# Allegro board Test_Version_2Layer_Buidling.brd (continued)
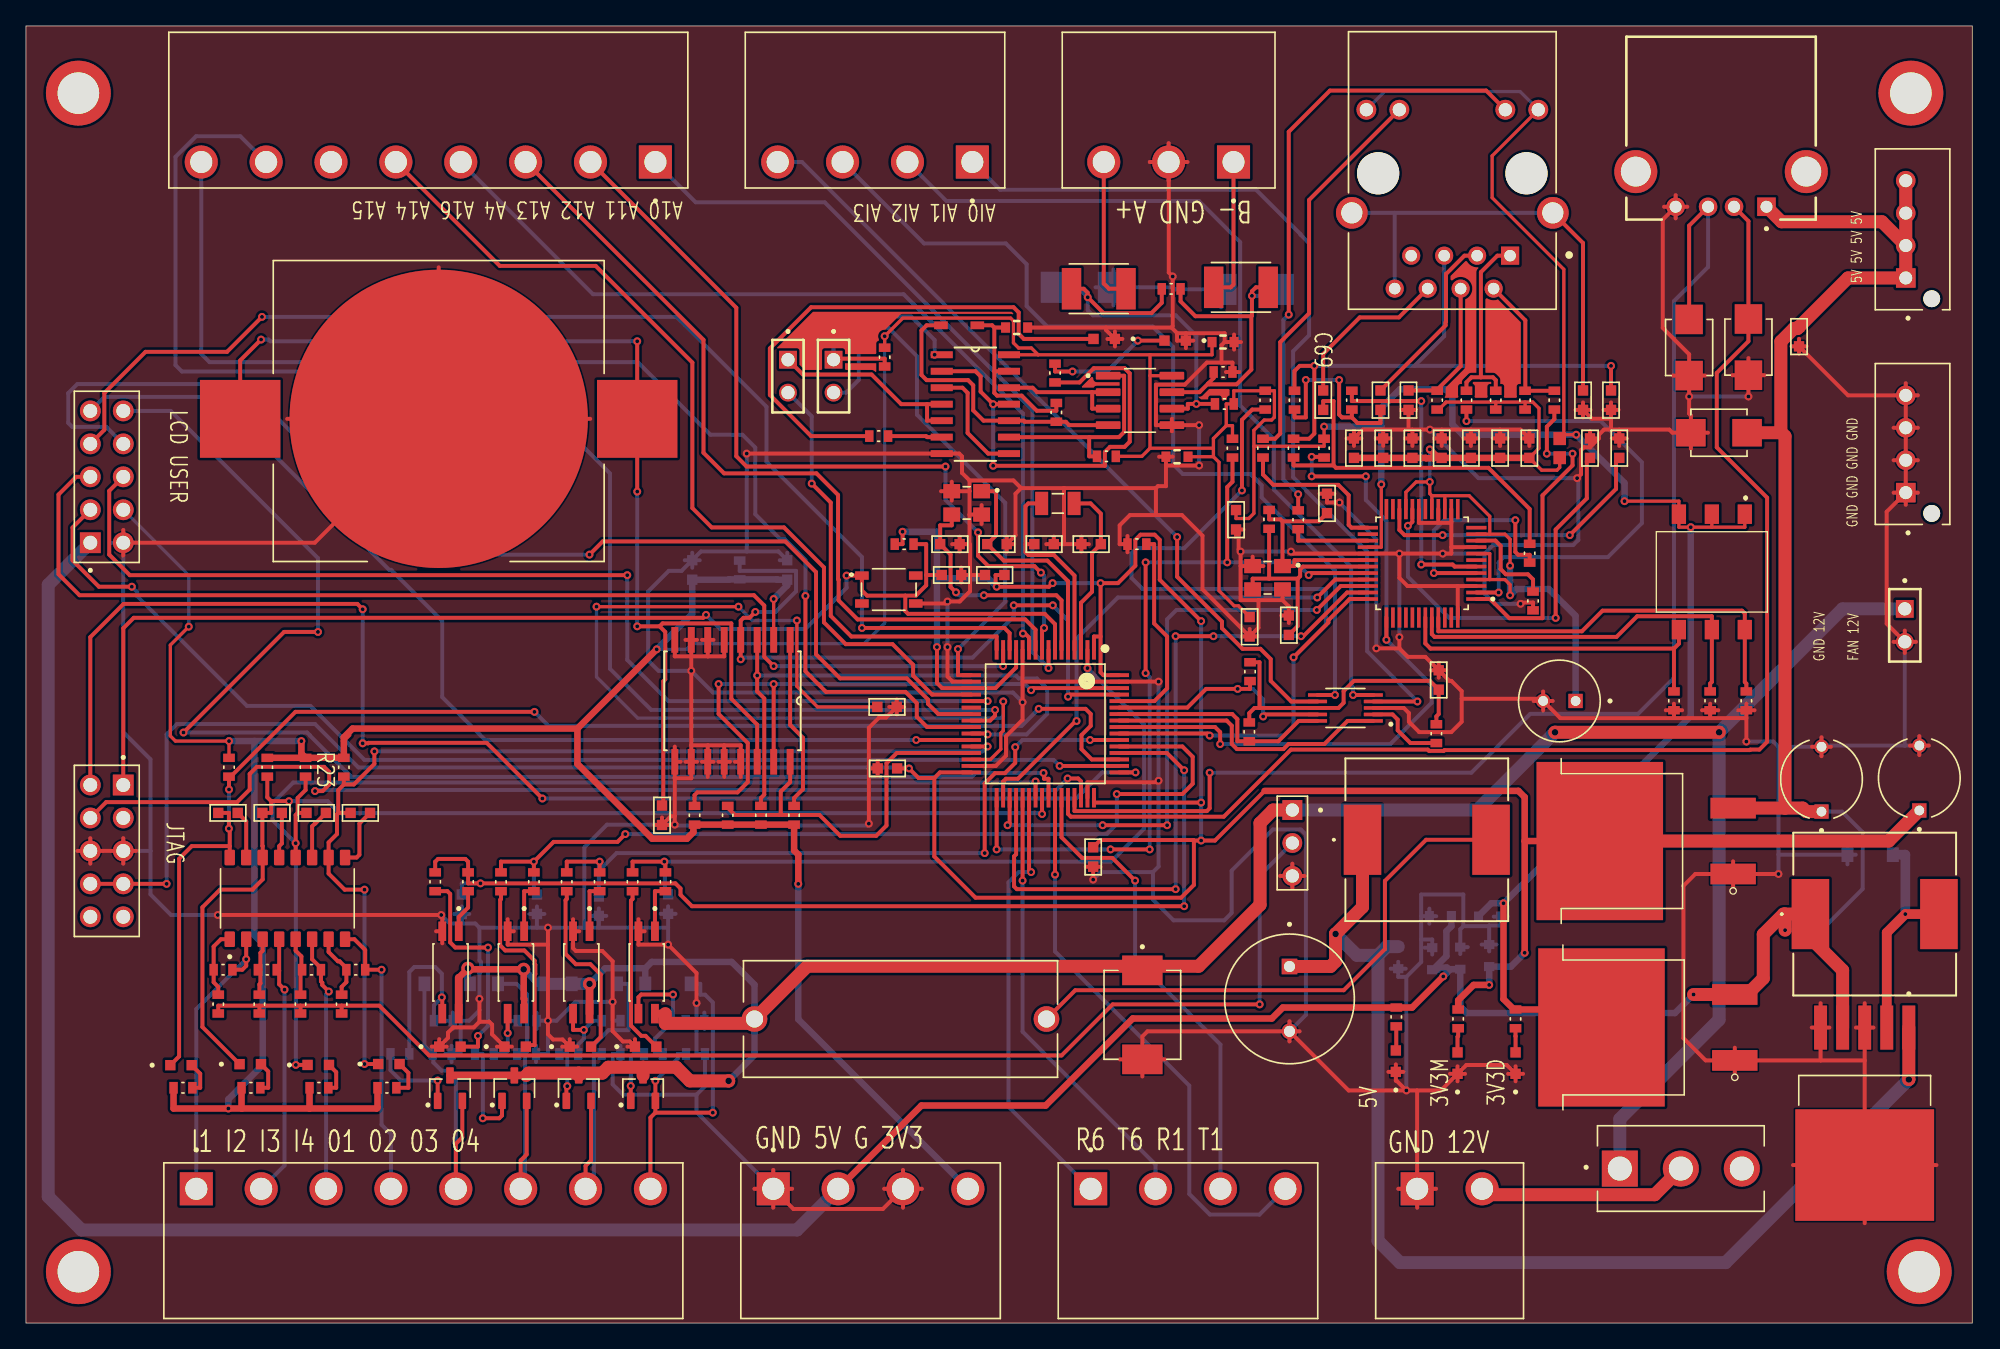
[diagram p0: board, top side]
## Nets
3V3: C110.2 R2.1 R3.1 R4.1 U44.8(VDD)
3V3_MCU: C31.2 C156.2 C169.2 C170.2 C175.P J76.7 J76.8 R227.2 R233.2 U2.3(OUT) U34.1 U34.13 U34.19 U34.32 U34.48 U34.64
3V3A: C72.2 C73.2 C74.2 C75.2 C76.2 C77.2 C78.2 C141.P FL4.2 R73.1 R74.1 R75.1 U14.4 U14.8 U14.11 U14.15 U14.17 U14.21
3V3D: C62.2 C63.2 C66.1 C67.1 C154.2 C171.1 C173.2 FL4.1 J10.9 J10.12 J69.4 J72.4 R17.1 R18.1 R19.1 R20.1 R21.1 R22.1 R23.1 R24.1 R64.2 R67.2 R68.2 R70.2 R168.2 R169.2 R224.2 R249.2 R250.2 R258.2 R260.1 R262.2 S15.1 S15.3 S15.5 U13.2 U14.28 U33.3(OUT) U39.14(VCC) U40.8(VCC)
5V_MAIN: C24.P C25.2 C30.2 C95.1 C153.2 D10.1 J66.01(VCC) J69.2 J72.1 J78.1 J78.2 J78.3 J78.4 L1.1 R225.2 U2.2 U33.2 U45.4
12V: D36.1(K) D37.1(K) D109.1(K) D111.1(K) D121.C(K) F8.1 J22.1 J71.01 Q3.3 Q4.3 Q6.3 Q7.3 S5.1 U10.4 U11.4 U37.4 U38.4
GND: BT1.N(-) C23.1 C24.N C25.1 C30.1 C31.1 C59.1 C60.1 C62.1 C63.1 C64.1 C65.2 C66.2 C67.2 C72.1 C73.1 C74.1 C75.1 C76.1 C77.1 C78.1 C79.1 C80.1 C81.2 C82.2 C95.2 C110.1 C111.1 C141.N C142.2 C153.1 C154.1 C155.1 C156.1 C160.1 C161.1 C162.1 C163.1 C164.1 C165.1 C168.1 C169.1 C170.1 C171.2 C172.2 C173.1 C174.N C175.N D6.2 D10.2 D11.2 D12.2 D35.2(C) D38.2(C) D105.2(C) D106.2(C) D108.2(C) D110.2(C) D112.2(C) D116.2(C) D117.2(C) D118.A D119.A D121.A J22.3 J27.1 J28.2 J66.04 J69.1 J69.3 J71.02 J72.2 J76.5 J76.6 J77.1 J77.2 J77.3 J77.4 R52.2 R53.2 R57.2 R58.2 R69.2 R234.2 R235.2 R236.2 R237.2 R241.2 R242.2 R246.2 R247.2 R261.2 S4.4 U2.1 U10.2 U11.2 U13.5 U13.6 U13.7 U13.8 U13.9 U13.10 U13.11 U13.12 U13.13 U14.3 U14.9 U14.14 U14.16 U14.19 U14.29 U14.48 U33.1 U34.12(VSSA/VREF-) U34.18 U34.31 U34.47 U34.63 U37.2 U38.2 U39.7 U40.5 U44.3 U45.3 U45.5 U45.6 Y6.2 Y6.4 Y12.2 Y12.4
VIN: C23.2 C174.P L2.1 U45.1(VIN)
1Y: R257.2 U39.2 U39.11
2A: U39.3 U39.8
3Y: R259.2 U39.6
4A: R258.1 U39.9 U40.1
5Y: D115.C R256.2 U39.10 U40.4
6A: C172.1 D115.A R256.1 U39.13
6Y: U39.12 U40.2 U40.3
30: C81.1 R82.2 U14.30 Y6.1
31: C82.1 R82.1 U14.31(XO) Y6.3(OUT/IN)
A: D118.C(2) F4.1 R253.1 R262.1 U40.6
ACTLED: R71.2 U14.27
ADC1_IN4: J24.5 U34.20
ADC1_IN6: U34.22
ADC1_IN10: J24.1 U34.8
ADC1_IN11: J24.2 U34.9
ADC1_IN12: J24.3 U34.10
ADC1_IN13: J24.4 U34.11
ADC1_IN14: J24.7 U34.24
ADC1_IN15: J24.8 U34.25
ADC1_IN16: J24.6
ADC_ADDR: U34.57 U44.1
ADC_SCL: R2.2 U34.58 U44.10
ADC_SDA: R3.2 U34.59 U44.9
AIN1: J26.2 U44.5
AIN2: J26.3 U44.6
AIN3: J26.4 U44.7
AINO: J26.1 U44.4
B: D119.C(2) F5.1 R253.2 R261.1 U40.7
BEEP: J72.10 U34.41
BOOT0: R234.1 U34.60
BUTTON1: J72.3 U34.50
BUTTON2: J72.5 U34.15
BUTTON3: J72.9 U34.27
CGND: C142.1 J10.8 J10.15 J10.16
ETHERNET_CS: R70.1 U14.32 U34.33
ETHERNET_INTN: R68.1 U14.36 U34.55
ETHERNET_MISO: U14.34 U34.35
ETHERNET_MOSI: U14.35 U34.36
ETHERNET_RTSN: R67.1 U14.37 U34.56
ETHERNET_SCK: U14.33 U34.34
GPIO_INPUT_1: C54.2 D30.2(C) R24.2 U8.10 U34.28
GPIO_INPUT_2: C53.2 D29.2(C) R23.2 U8.12 U34.39
GPIO_INPUT_3: C52.2 D28.2(C) R22.2 U8.14 U34.40
GPIO_INPUT_4: C51.2 D27.2(C) R21.2 U8.16 U34.51
GPIO_OUTPUT_1: C59.2 R49.2 R50.1 U34.52
GPIO_OUTPUT_2: C60.2 R54.2 R56.1 U34.53
GPIO_OUTPUT_3: C165.2 R238.2 R240.1 U34.54
GPIO_OUTPUT_4: C168.2 R243.2 R245.1 U34.2
I2C2_SCL: R168.1 U13.16 U34.29
I2C2_SDA: R169.1 U13.15 U34.62
INT_DS3231: R64.1 U13.3 U34.26
LINKLED: R72.2 U14.25
N_GPIO_INPUT_1: J23.1 R26.2 U8.2
N_GPIO_INPUT_2: J23.2 R28.2 U8.4
N_GPIO_INPUT_3: J23.3 R30.2 U8.6
N_GPIO_INPUT_4: J23.4 R32.2 U8.8
N_GPIO_OUTPUT_1: D36.2 J23.5 Q3.2(E) R53.1
N_GPIO_OUTPUT_2: D37.2 J23.6 Q4.2(E) R58.1
N_GPIO_OUTPUT_3: D109.2 J23.7 Q6.2(E) R242.1
N_GPIO_OUTPUT_4: D111.2 J23.8 Q7.2(E) R247.1
NRST: C160.2 J76.1 R233.1 S4.1 U34.7
P4: C80.2 J10.4 R75.2
P5: C79.2 J10.5 R80.2 R81.2
PA0: J72.7 U34.14
PA2: J67.02 U34.16
PA3: J68.02 U34.17
PA5: J72.6 U34.21
PA7: J72.8 U34.23
PA9: J62.4 U34.42
PA10: J62.3 U34.43
PA11: D11.1 J66.02 U34.44
PA12: D12.1 J66.03 U34.45
PA13: J76.4 U34.46
PA14: J76.2 U34.49
PB8: R249.1 U13.4(~RST) U34.61
PC6: J62.2 U34.37
PC7: J62.1 U34.38
PC14: C164.2 U34.3 Y11.1
PC15: C163.2 U34.4 Y11.2
PH0: C161.2 U34.5 Y12.1
PH1: C162.2 U34.6 Y12.3(OUT/IN)
PMODE0: R235.1 S15.2 U14.45
PMODE1: R236.1 S15.4 U14.44
PMODE2: R237.1 S15.6(NO_3) U14.43
RD+: C68.1 J10.3
RD-: C69.2 J10.6
RS485_A+: F4.2 J28.3
RS485_B-: F5.2 J28.1
RS485_RX: J67.01 U39.4 U39.5
RS485_TX: J68.01 R260.2 U39.1
RX+: R78.2 U14.6
RX-: R79.2 U14.5
TD+: J10.1 R74.2 R76.1
TD-: J10.2 R73.2 R77.1
TX+: R76.2 U14.2
TX-: R77.2 U14.1
VCAP: C155.2 U34.30
VOUT: D6.1(K) L1.2 U45.2
N561413: C69.1 R79.1 R81.1
N561439: C68.2 R78.1 R80.1
N562363: J10.10 R71.1
N562453: J10.11(YC) R72.1
N562641: R69.1 U14.10
N562707: C64.2 U14.20
N562759: C65.1 U14.22
N588900: R4.2 U44.2
N605674: D105.1 R224.1
N605802: D106.1 R225.1
N634368: J22.2 R25.2 R27.2 R29.2 R31.2
N634464: R25.1 R26.1 U8.1
N634600: D27.1 R17.2
N634616: R27.1 R28.1 U8.3
N634652: C51.1 U8.15
N634776: R29.1 R30.1 U8.5
N634812: C52.1 U8.13
N634928: R31.1 R32.1 U8.7
N634964: C53.1 U8.11
N635092: C54.1 U8.9
N637436: R49.1 U10.1
N637488: R51.2 R52.1 U10.3(E)
N637500: Q3.1 R51.1
N637646: D35.1 R50.2
N637832: R54.1 U11.1
N637892: R55.2 R57.1 U11.3(E)
N637904: Q4.1 R55.1
N637978: D38.1 R56.2
N642891: R238.1 U37.1
N642943: R239.2 R241.1 U37.3(E)
N642955: Q6.1 R239.1
N643101: D110.1 R240.2
N643287: R243.1 U38.1
N643347: R244.2 R246.1 U38.3(E)
N643359: Q7.1 R244.1
N643433: D112.1 R245.2
N652966: BT1.P1 BT1.P2 C111.2 U13.14
N689903: R250.1 U13.1
N749851: F8.2 L2.2
N6057860: D108.1 R227.1
N6347040: D28.1 R18.2
N6348600: D29.1 R19.2
N6350120: D30.1 R20.2
N6478961: J27.2 S5.2
N7023880: D116.1 R257.1
N7029370: D117.1 R259.1

Pads without a net: J10 7; J25 03; J66 S1 S2; J73 03; J74 03; J75 03; J76 3 9 10; S4 2 3; S5 3; U14 7 12 13 18 23 24 26 38 39 40 41 42 46 47

## Via types
v1: diameter 0.61, hole 0.305, TOP to BOTTOM, 225 vias
v2: diameter 1.016, hole 0.508, TOP to BOTTOM, 8 vias

## Routing (per net, layer and track width the routed paths; a pad name or vN(x,y) marks a point on that pad's centre or on a via; arc(x,y) is an arc through that point)
3V3: length 24.1
  TOP w0.305: R2.1 94.28,47.02 94.68,47.42 95.07,47.42 ; 95.07,47.42 U44.8 101.15,47.42 101.55,47.82 101.55,48.72 102.34,49.51 108.2,49.51 C110.2 108.88,46.95 108.7,46.77 R4.1 ; 95.07,47.42 95.07,50.95 R3.1
3V3_MCU: length 289.9
  TOP w0.305: U34.48 82.31,40.13 v1(90.57,40.13) ; v1(10.84,33.86) J76.7 J76.8 ; 82.82,52.93 v1(82.82,57.04) 84.16,57.04 85.5,58.38 85.5,60.38 85.9,60.78 86.98,60.78 87.38,60.38 87.38,57.3 v1(90.57,54.11) ; 82.82,52.93 82.82,50.17 83.04,49.95 U34.64 ; 82.82,52.93 82.31,52.93 U34.1 ; U34.13 76.31,50.54 74.72,48.95 U34.19 70.61,48.95 70.21,49.35 v1(70.21,52.12) ; R233.2 67.56,60.05 v1(67.56,61) ; C170.2 v1(68.05,42.76) 68.79,42.02 70.01,42.02 ; 90.01,37.2 90.01,33.78 89.03,32.79 73.18,32.79 70.01,35.97 70.01,42.02 ; 90.01,37.2 v1(90.57,37.2) 91.63,37.2 95.46,41.03 ; 90.01,37.2 89.97,37.24 82.81,37.24 C169.2 ; U34.32 70.44,42.45 70.01,42.02 ; v1(79.12,57.04) 78.85,56.77 v1(74.82,56.77) 74.73,56.85 74.73,57.67 C156.2
  TOP w0.5: v1(115.5,28.54) 115.5,37.16 ; 115.5,37.16 U2.3 ; 115.5,37.16 115.5,40.54 115.02,41.03 95.46,41.03 ; v1(112.77,26.07) 111.57,26.07 110.38,24.88 R227.2
  TOP w1: C175.P 143.56,37.16 U2.3
  BOTTOM w0.305: v1(79.12,57.04) v1(82.82,57.04) ; v1(68.05,42.76) 67.98,42.84 25.62,42.84 22.27,46.18 11.63,46.18 10.84,45.39 v1(10.84,33.86) ; v1(90.57,54.11) v1(90.57,40.13) v1(90.57,37.2)
  BOTTOM w0.5: 70.21,57.42 70.21,60.97 70.18,61 v1(67.56,61) ; 70.21,57.42 74.16,57.42 v1(74.82,56.77) ; 70.21,57.42 v1(70.21,52.12) ; v1(115.5,28.54) 114.44,27.48 C31.2 v1(112.77,26.07)
3V3A: length 73.7
  TOP w0.254: U14.8 112.81,59.32 112.81,57.32 ; U14.21 106.35,64.05 107.14,64.85 v1(108.19,64.85) 108.19,63.94 108.35,63.78 ; U14.17 108.35,63.78 ; 108.35,63.78 109.35,63.78 ; v1(114.38,58.39) 114.38,60.42 113.98,60.82 112.81,60.82 ; R75.1 108.89,70.42 109.39,70.93 109.39,70.95 109.44,71 113.28,71 ; 112.81,57.32 113.98,57.32 114.38,56.92 v1(114.38,56.11) ; 112.81,57.32 U14.4 ; 118.2,66.72 118.2,65.96 117.99,65.75 116.82,65.75 C78.2 116.61,67.44 116.61,70.52 116.12,71 115.54,71 ; 115.54,71 113.28,71 ; 115.54,71 R73.1 ; 113.28,71 R74.1 ; 112.81,60.82 U14.11 ; 112.81,60.82 112.81,62.2 111.23,63.78 109.35,63.78 ; 109.35,63.78 U14.15
  TOP w0.5: C78.2 C77.2 C76.2 C72.2 108.85,66.7 ; 108.85,66.7 v1(108.19,67.35) 108.19,67.33 ; 108.85,66.7 108.5,66.7 108.47,66.67 107.91,66.67 107.88,66.7 C73.2 C74.2 C75.2
  BOTTOM w0.254: v1(108.19,64.85) v1(108.19,67.35)
  BOTTOM w0.5: v1(114.38,58.39) v1(114.38,56.11) 114.86,56.59 117.36,56.59 119.43,54.52 C141.P
3V3D: length 482.5
  TOP w0.254: 92.51,69.19 92.51,70.86 R262.2 93.08,71.88 R68.2 96.21,71.88 96.21,69.83 96,69.62 95.43,69.62 94.64,68.82 94.64,67.6 ; 92.51,69.19 92.99,69.19 92.99,68.17 ; 92.51,69.19 91.52,68.2 91.52,67.44 ; 51.53,38.42 R169.2 ; J10.9 113,89.99 113,86.76 118.52,81.23 118.52,68.5 ; 86.63,74.65 91.41,74.65 C171.1 ; 86.63,74.65 86.63,73.03 ; 86.63,74.65 78.01,74.65 ; 15.65,43.58 v1(15.65,44.87) 11.52,44.87 11.13,45.26 11.13,52.27 v1(12.55,53.69) ; 86.63,73.03 88.31,73.03 ; 86.63,73.03 86.63,67.44 ; R260.1 v1(66.18,76.08) 67.58,77.47 75.89,77.47 76.1,77.26 76.1,75.57 76.5,75.17 77.49,75.17 78.01,74.65 ; 94.64,67.6 94.64,62.42 94.24,62.03 93.26,62.03 C67.1 ; 94.64,67.6 100.05,67.6 v1(100.05,69.11) ; R258.2 86,66.82 86.63,67.44 ; C173.2 91.52,66.79 ; 91.52,66.79 91.52,67.44 ; 91.52,66.79 91.95,66.36 91.95,56.46 93.12,55.29 93.45,55.29 C66.1 ; 57.62,52.67 v1(57.62,55.82) ; 86.63,67.44 91.52,67.44 ; v1(104.45,64.66) 104.45,59.82 U14.28 ; 78.01,74.65 U39.14 ; 24.5,44.87 24.96,45.33 ; v1(119.48,68.49) 118.54,68.49 118.52,68.5 ; 129.93,61.36 v1(128.3,61.36) 127.39,61.36 S15.5 127.39,63.36 v1(123.2,63.36) ; 129.93,61.36 S15.3 ; 129.93,61.36 132.47,61.36 S15.1 ; 118.52,68.5 FL4.1
  TOP w0.5: U33.3 120.04,24.18 R224.2 114.67,24.18 113.87,24.98 v1(113.87,32.37) ; R17.1 11.38,16.54 v1(15.6,16.54) 16.64,16.54 ; 21.85,16.54 27.03,16.54 27.09,16.6 R20.1 ; 21.85,16.54 21.86,16.55 R19.1 ; 21.85,16.54 16.64,16.54 ; 21.55,43.58 24.5,43.58 24.5,45.16 25.17,45.83 42.5,45.83 ; 21.55,43.58 21.23,43.9 v1(21.23,44.87) ; 21.55,43.58 18.6,43.58 ; v1(59.52,33.86) 59.52,36.12 59.2,36.44 R250.2 R64.2 R168.2 R169.2 51.44,38.34 51.44,37.84 50.94,37.34 48.27,37.34 42.5,43.11 42.5,45.83 ; 16.64,16.54 16.61,16.56 R18.1 ; 42.5,45.83 v1(48.61,51.94)
  BOTTOM w0.254: v1(12.55,53.69) 12.55,57.65 J72.4 ; J10.9 115.16,94.94 104.7,94.94 J10.12 ; v1(66.18,76.08) 66.18,53.96 64.59,52.37 51.35,52.37 50.92,51.94 v1(48.61,51.94)
  BOTTOM w0.5: v1(104.45,64.66) 104.45,69.11 ; 104.45,69.11 104.45,70.55 105.88,71.98 109.43,71.98 109.93,71.48 109.93,69.28 110.73,68.49 v1(119.48,68.49) 123.2,64.76 v1(123.2,63.36) ; 104.45,69.11 v1(100.05,69.11) ; v1(15.6,16.54) 15.6,17.25 18.25,19.9 18.25,29.24 17.61,29.88 17.61,44.87 ; v1(15.65,44.87) 17.61,44.87 ; 17.61,44.87 v1(21.23,44.87) ; v1(59.52,33.86) 59.52,23.42 J69.4 ; C154.2 111.95,31.38 112.94,32.37 v1(113.87,32.37) 128.3,46.8 v1(128.3,61.36) ; v1(57.62,55.82) 58.67,56.87 C62.2 57.89,57.31 57.87,57.34 R249.2 54.18,57.34 54.16,57.31 C63.2 51.35,54.68 v1(48.61,51.94)
5V_MAIN: length 314.7
  TOP w0.5: v1(109.23,26.72) 106.83,24.32 R225.2 96.87,24.32 96.02,23.48 85.3,23.48 78.59,16.77 69.01,16.77 J69.2
  TOP w1: 135.25,68.69 135.57,68.37 135.57,39.7 ; 135.25,68.69 135.2,68.64 D10.1 ; 135.25,68.69 135.25,75.67 136.25,76.67 136.52,76.67 C95.1 140.42,80.57 J78.1 J78.2 ; 135.57,39.7 136.93,39.7 137.2,39.43 C24.P ; 135.57,39.7 U2.2 ; J78.4 J78.3 J78.2 ; v1(128.52,25.33) U33.2 132.65,25.33 133.89,26.57 133.89,29.97 135.45,31.53 135.57,31.53 ; J78.2 143.04,84.9 135.3,84.9 J66.01 ; U45.4 140.01,27.2 137.53,29.68 L1.1 135.57,31.53 ; 135.57,31.53 v1(135.57,30.29)
  BOTTOM w0.305: v1(135.57,30.29) 138.38,30.29 141.55,33.46 141.55,37.84 139.96,39.43 C24.P
  BOTTOM w0.5: C153.2 109.86,30.59 109.47,30.2 109.47,28.28 108.43,27.24 ; 109.79,27.28 v1(109.23,26.72) ; 109.79,27.28 C30.2 110.54,24.4 111.04,23.9 127.09,23.9 v1(128.52,25.33) ; 109.79,27.28 109.64,27.28 109.51,27.41 108.95,27.41 108.78,27.24 108.43,27.24 ; 108.43,27.24 C25.2
  BOTTOM w1: J69.2 59.42,7.18 4.28,7.18 1.72,9.74 1.72,56.92 J72.1
12V: length 218.5
  TOP w0.5: v2(34.06,27.35) 34.06,27.33 ; 34.06,27.33 33.35,26.62 ; 34.06,27.33 34.12,27.27 v2(38.36,27.27) 38.36,25.02 38.39,24.98 U11.4
  TOP w0.59: 38.56,19.09 Q4.3 Q3.3
  TOP w0.6: 49.27,23.86 U38.4 ; U37.4 v2(43.44,26.15) ; 33.35,26.62 U10.4
  TOP w1: Q7.3 47.56,19.72 ; 47.56,19.72 50.12,19.72 51.17,18.67 v2(54.15,18.67) ; 47.56,19.72 44.87,19.72 44.42,19.27 42.6,19.27 ; D121.C 86.36,27.51 ; 86.36,27.51 90.38,27.51 95.11,32.24 95.11,38.55 96.11,39.55 J22.1 ; 86.36,27.51 60.22,27.51 F8.1 55.81,23.1 49.27,23.1 49.27,23.86 ; 42.6,19.27 38.74,19.27 38.56,19.09 ; 42.6,19.27 Q6.3 ; v2(117.84,45.54) v2(130.49,45.54)
  BOTTOM w0.5: D36.1 34.06,26.3 v2(34.06,27.35) ; D37.1 39.48,26.15 v2(38.36,27.27) ; v2(54.15,18.67) 56.15,20.67 F8.1 56.15,26.08 54.39,27.84 48.22,27.84 47.73,27.35 ; D111.1 47.73,27.35 ; 47.73,27.35 47.73,27.35 44.64,27.35 v2(43.44,26.15)
  BOTTOM w0.92: D37.1 D109.1 v2(43.44,26.15)
  BOTTOM w1: S5.1 122.84,15.74 130.49,23.38 v2(130.49,45.54) 140,55.06 J71.01 ; J22.1 111.85,39.55 v2(117.84,45.54)
GND: length 1321.8
  TOP w0.305: 109.11,67.62 C72.1 ; C72.1 109.69,68.2 ; C72.1 108.53,68.2 ; C72.1 109.11,68.88 ; 116.2,47.96 C141.N ; C141.N 118.25,46.64 127.01,46.64 ; C141.N 116.93,48.69 ; C141.N 116.76,48.13 110.65,48.13 ; C141.N 116.93,47.23 ; C141.N 117.66,47.96 ; C77.1 114.19,68.2 ; C77.1 113.03,68.2 ; C77.1 113.61,68.88 ; C77.1 113.61,67.62 ; 72.72,60.05 72.76,60.01 72.76,57.67 ; 72.72,60.05 C162.1 ; 72.72,60.05 72.72,62.33 ; 122.8,67.62 C65.2 ; C65.2 123.37,68.2 ; C65.2 122.8,68.88 ; C65.2 122.22,68.2 ; 131.51,73.08 D11.2 ; D11.2 132.75,74.39 ; D11.2 133.99,73.08 ; D11.2 v1(132.75,71.43) ; 129.8,47.25 129.8,47.75 ; 129.8,47.25 129.17,47.25 ; 129.8,47.25 130.43,47.25 ; 129.8,47.25 129.8,46.64 ; 52.55,51.4 52.55,52.67 ; 52.55,51.4 53.81,51.4 53.81,52.67 ; 52.55,51.4 51.27,51.4 ; 52.55,52.67 52.1,52.67 ; 52.55,52.67 52.99,52.67 ; J77.1 145.81,64.02 ; J77.1 143.94,64.02 ; J77.1 143.4,62.55 143.4,53.92 J71.02 ; J77.1 J77.2 ; J77.1 144.88,63.09 ; C155.1 67.11,48.08 ; C155.1 67.11,46.92 ; C155.1 66.29,46.68 65.75,46.68 64.96,45.89 64.96,42.76 ; C155.1 67.69,47.5 ; C155.1 66.53,47.5 ; C170.1 64.96,42.76 ; C170.1 65.64,43.34 ; C170.1 65.64,42.18 ; 64.96,42.76 v1(64.96,38.5) ; J66.04 128.03,86.06 ; J66.04 127.14,86.95 ; J66.04 126.25,86.06 ; J66.04 126.15,85.07 126.15,76.72 128.18,74.69 D12.2 ; J66.04 127.14,85.17 ; 96.66,34.47 J22.3 ; J22.3 98.54,34.47 ; J22.3 97.6,33.53 ; J22.3 97.6,35.41 ; 80,64.37 76.7,64.37 ; 80,64.37 80,60.05 ; 80,64.37 87.09,64.37 ; 76.7,64.37 76.27,63.94 76.27,60.73 C161.1 ; 76.7,64.37 76.11,64.96 72.72,64.96 ; 4.96,35.42 J76.6 ; J76.6 4.96,37.38 ; J76.6 J76.5 ; J76.6 3.98,36.4 ; 50.83,43.27 51.27,43.27 ; 51.27,43.27 51.27,42 50.01,42 ; 51.27,43.27 51.27,44.54 ; 51.27,43.27 51.72,43.27 ; BT1.N 31.81,81.39 ; BT1.N 22.26,60.16 J72.2 ; BT1.N 20.13,69.71 ; BT1.N 43.49,69.71 ; v1(90.41,69.22) U40.5 ; U40.5 88.31,69.7 ; U40.5 88.31,68.75 ; U40.5 87.09,69.22 87.09,72.34 89.31,72.34 91.01,74.05 92.14,74.05 ; C78.1 115.19,68.88 113.61,68.88 ; C78.1 115.87,68.78 ; C78.1 115.87,67.62 ; C78.1 115.29,68.2 ; C142.2 120,70.98 ; C142.2 120,69.82 ; C142.2 119.42,70.4 ; C142.2 120.58,70.4 ; C142.2 120.68,69.72 122.16,69.72 ; 51.27,44.54 52.55,44.54 ; 51.27,44.54 v1(51.27,50.28) 51.27,51.4 ; 52.55,44.54 U13.11 ; 52.55,44.54 53.81,44.54 ; C110.1 109.7,49.51 109.86,49.51 110.65,48.72 110.65,48.13 ; C110.1 107.85,51.36 106.51,51.36 105.85,52.02 ; C110.1 108.88,50.91 ; C110.1 108.3,50.33 ; C110.1 109.46,50.33 ; C110.1 108.88,49.75 ; 114.23,19.21 D105.2 ; D105.2 114.12,19.89 111.01,19.89 D108.2 ; D105.2 115.38,19.21 ; D105.2 114.8,18.64 ; D105.2 114.8,19.79 ; v1(87.29,49.45) U34.63 76.81,49.45 ; Y12.4 73.65,63.06 ; Y12.4 72.72,62.33 ; Y12.4 73.65,61.6 ; 32.09,29.28 32.09,30.2 ; 32.09,30.2 32.09,31.38 v1(32.01,31.46) v1(14.78,31.46) ; 32.09,30.2 31.61,30.2 ; 92.14,74.05 92.98,74.05 R261.2 ; 92.14,74.05 92.14,75.39 92.38,75.63 ; 7.5,59.18 J72.2 ; J72.2 7.5,61.14 ; 105.58,19.36 106.15,19.36 ; 105.58,19.36 105.58,18.69 105.63,18.69 v1(106.39,17.93) ; 105.58,19.36 105.58,19.94 ; 105.58,19.36 105,19.36 ; 70.52,64.13 Y12.2 ; Y12.2 71.35,64.86 ; Y12.2 72.72,64.13 ; Y12.2 71.35,63.4 ; v1(51.68,24.67) 51.68,26.98 v1(49.49,29.18) 47.2,29.18 47.2,30.2 ; 122.16,69.72 C79.1 ; 122.16,69.72 122.16,68.88 ; D108.2 110.91,19.21 ; D108.2 109.05,17.93 107.22,17.93 ; D108.2 110.33,19.79 ; D108.2 110.33,18.64 ; D108.2 109.75,19.21 ; C171.2 93.11,76.21 ; C171.2 92.38,75.63 ; C171.2 93.64,75.63 ; C171.2 93.11,75.05 ; 71.38,60.05 C162.1 ; C162.1 71.96,59.47 ; C162.1 71.96,60.63 ; 84.3,20.33 D121.A ; D121.A 86.04,22.09 86.44,22.49 C174.N ; D121.A 86.04,19.01 ; D121.A 87.78,20.33 ; C80.1 107.13,70.4 ; C80.1 106.55,68.88 ; C80.1 105.97,70.4 ; 107.22,17.93 v1(106.39,17.93) ; 107.22,17.93 J27.1 ; U45.5 138.99,22.78 ; U45.5 138.31,20.25 ; U45.5 138.31,24.66 ; U45.5 137.63,22.78 ; 50.01,42 U13.9 ; 50.01,42 50.01,39.08 ; U13.9 50.45,43.27 ; U13.9 50.01,44.44 ; J27.1 108.67,10.35 ; J27.1 107.22,8.9 ; J27.1 105.77,10.35 ; C161.1 75.59,60.63 ; C161.1 75.59,59.47 ; C161.1 76.16,60.05 ; 83.25,76.75 83.25,76.55 D117.2 ; 83.25,76.75 C172.2 ; 83.25,76.75 88.28,76.75 ; v1(105.85,59.32) 105.85,57.45 106.47,56.82 110.35,56.82 ; v1(105.85,59.32) U14.29 97.65,59.32 v1(97.5,59.48) ; v1(105.85,59.32) v1(109.19,59.32) 109.85,59.32 109.85,59.82 ; 93.61,58.36 93.61,55.73 94.99,55.73 ; 93.61,58.36 v1(93.61,59.48) 93.46,59.63 93.46,60.98 C67.2 ; 93.61,58.36 Y6.2 ; 72.72,64.96 72.72,64.13 ; 72.72,64.96 72.14,65.54 72.14,66.81 71.93,67.03 U39.7 v1(55.55,67.03) ; 72.72,64.13 72.72,62.33 ; D10.2 129.63,68.64 ; D10.2 126.9,68.64 126.66,68.88 122.8,68.88 ; D10.2 128.32,69.98 128.18,70.11 v1(128.18,71.43) D12.2 ; D10.2 128.32,67.4 ; J69.1 59.15,8.8 66.04,8.8 J69.3 ; J69.1 57.59,11.8 ; J69.1 57.59,8.9 ; J69.1 59.05,10.35 ; J69.1 56.14,10.35 ; 137.65,44.43 C24.N ; C24.N 138.38,43.7 ; C24.N 138.38,45.16 ; C24.N 139.11,44.43 ; J77.3 145.81,69.02 ; J77.3 J77.2 ; J77.3 143.94,69.02 ; J77.3 J77.4 ; 145.19,44.52 C175.N ; C175.N 145.92,45.25 ; C175.N 145.92,43.79 ; C175.N 146.65,44.52 ; C95.2 140.43,71.52 J77.4 ; C95.2 136.65,75.88 ; C95.2 136.65,74.72 ; C95.2 136.07,75.3 ; C95.2 137.23,75.3 ; 87.09,64.37 87.09,62.29 ; 87.09,64.37 87.24,64.52 87.86,64.52 87.86,66.11 ; 87.09,62.29 89.09,62.29 90.67,60.7 90.67,56.57 C66.2 ; 87.09,62.29 85.08,62.29 84.29,61.5 84.29,60.05 84.89,60.05 ; 55.09,42.1 U13.13 ; U13.13 55.09,44.54 53.81,44.54 ; U13.13 54.64,43.27 ; Y6.2 94.54,59.09 ; Y6.2 95.37,58.36 ; 120.54,67.52 121.22,68.2 121.22,68.48 121.62,68.88 122.16,68.88 ; 120.54,67.52 120.07,67.52 119.85,67.3 119.85,65.44 v1(119.55,65.14) ; 120.54,67.52 C64.1 ; 105.85,52.02 v1(105.85,52.88) ; 105.85,52.02 v1(104.07,52.02) ; 110.65,48.13 110.65,46.35 109.86,45.56 107.38,45.56 106.58,46.35 106.58,47.02 106.19,47.42 U44.3 ; 78.64,60.05 C163.1 ; C163.1 79.21,60.63 ; C163.1 80,60.05 ; 109.11,68.88 111.36,68.88 ; 109.11,68.88 v1(108.2,68.88) 106.85,68.88 ; 111.36,68.88 C76.1 ; 111.36,68.88 113.61,68.88 ; J77.4 144.88,72.45 ; J77.4 145.81,71.52 ; 84.89,60.05 84.89,59.42 ; 84.89,60.05 84.89,60.68 ; 51.27,52.67 51.27,51.4 ; 51.27,52.67 51.72,52.67 ; 51.27,52.67 50.83,52.67 ; 51.27,51.4 50.01,51.4 50.01,52.67 ; 104.02,68.2 C74.1 ; C74.1 105.18,68.2 ; C74.1 104.6,67.62 ; C74.1 104.6,68.88 ; 72.76,57.67 72.76,56.42 71.97,55.63 v1(71.02,55.63) 70.87,55.48 S4.4 ; 72.76,57.67 C156.1 ; 72.76,57.67 C160.1 ; v1(135.07,34.62) U2.1 ; U2.1 128.66,34.62 127.74,33.7 127.74,21.96 129.45,20.25 U33.1 ; U2.1 131.57,35.6 ; U2.1 131.57,33.64 ; 109.85,59.82 109.85,61.69 ; 109.85,59.82 U14.9 ; 106.28,68.2 C73.1 ; C73.1 107.43,68.2 ; C73.1 106.85,68.88 ; C73.1 106.85,67.62 ; U33.1 131.7,19.27 ; U33.1 138.31,20.25 ; U33.1 131.7,21.23 ; 47.2,30.2 47.2,31.13 ; 47.2,30.2 47.68,30.2 ; 127.01,46.64 129.8,46.64 ; 127.01,46.64 127.01,47.25 ; 129.8,46.64 132.59,46.64 ; 132.59,46.64 v1(132.59,44.83) ; 132.59,46.64 132.59,47.25 ; D116.2 89.39,76.32 ; D116.2 89.97,75.74 ; D116.2 88.72,75.74 88.72,76.31 ; D116.2 89.39,75.16 ; D12.2 129.42,73.05 ; D12.2 126.94,73.05 ; R69.2 116.15,55.55 115.29,55.55 v1(115.19,55.45) ; 122.8,68.88 122.16,68.88 ; C75.1 102.93,68.2 ; C75.1 101.77,68.2 ; C75.1 102.35,67.62 ; C75.1 103.03,68.88 104.6,68.88 ; C75.1 102.35,68.78 ; C81.2 100.85,63.94 ; C81.2 99.69,63.94 ; C81.2 100.27,63.26 v1(101.23,63.26) ; 143.94,66.52 J77.2 ; J77.2 145.81,66.52 ; 80,60.05 C164.1 ; 42.16,30.2 42.16,31.13 ; 42.16,30.2 42.16,28.9 42.38,28.68 44.42,28.68 45.22,27.89 v1(45.22,24.77) 45.22,22.5 46.01,21.71 46.53,21.71 D112.2 ; 42.16,30.2 42.64,30.2 ; 88.28,76.75 88.38,76.85 v1(88.38,80.68) 88.08,80.99 88.08,89.5 J28.2 ; 88.28,76.75 88.72,76.32 88.72,76.31 ; 37.12,30.2 37.6,30.2 ; 37.12,30.2 37.12,31.13 ; 37.12,30.2 37.12,29.18 40.23,29.18 ; J28.2 86.61,89.51 ; J28.2 88.06,90.96 ; J28.2 88.06,88.06 ; J28.2 89.52,89.51 ; C79.1 122.16,70.98 ; C79.1 122.74,70.4 ; C79.1 121.58,70.4 ; 92.38,75.63 92.38,76.31 88.72,76.31 ; U34.31 74.74,42.95 75.53,43.74 75.53,45.24 76.81,46.51 v1(76.81,47.86) 76.81,49.45 ; D112.2 46.93,21.89 ; D112.2 46.36,21.31 ; C82.2 97.33,55.24 96.84,55.73 ; C82.2 97.33,53.97 ; C82.2 96.75,54.55 ; 40.23,29.18 v1(40.23,30.49) ; 40.23,29.18 v1(40.23,23.31) 40.23,22.26 40.63,21.86 41.35,21.86 D110.2 ; D38.2 35.93,22.26 35.93,23.01 35.71,23.23 34.95,23.23 ; D38.2 37.46,21.31 ; D38.2 36.3,21.31 ; C66.2 93.73,52.93 ; C66.2 94.31,53.51 ; C66.2 94.89,52.93 ; C66.2 94.99,53.61 94.99,55.73 ; R261.2 92.48,73.32 ; R261.2 93.49,73.32 ; J71.02 144.8,53.38 ; J71.02 143.94,52.52 ; J71.02 145.66,52.52 ; J71.02 144.8,51.66 ; v1(71.02,52.12) 71.02,49.85 71.42,49.45 U34.18 ; 138.31,20.25 141.71,20.25 ; 48.44,38.4 C111.1 ; C111.1 49.6,38.4 ; C111.1 49.02,38.98 ; C111.1 49.7,39.08 50.01,39.08 ; 96.84,55.73 Y6.4 ; 96.84,55.73 94.99,55.73 ; v1(106.39,17.93) 101.94,17.93 C174.N ; U34.12 76.81,49.45 ; 87.33,66.79 C173.1 ; C173.1 88.39,66.79 ; C173.1 87.86,66.11 ; C64.1 120.54,68.78 ; C64.1 121.12,68.2 ; 131.96,47.25 132.59,47.25 ; 132.59,47.25 132.59,47.75 ; 132.59,47.25 133.22,47.25 ; 72.08,57.09 C160.1 ; C160.1 72.08,58.25 ; U45.6 141.71,20.25 ; U45.6 136.18,12.18 ; U45.6 147.24,12.18 ; U45.6 141.71,7.7 ; 141.71,20.25 U45.3 ; D117.2 84.5,75.87 ; D117.2 83.92,75.29 ; D117.2 83.35,75.87 ; D117.2 83.92,76.45 ; 111.36,67.62 C76.1 ; C76.1 111.94,68.2 ; C76.1 110.78,68.2 ; 110.35,56.82 U14.3 ; 110.35,56.82 U14.48 ; C164.1 81.34,60.63 ; C164.1 81.34,59.47 ; C164.1 81.92,60.05 ; 81.67,35.18 C169.1 ; C169.1 v1(82.25,34.19) ; C169.1 82.83,35.18 ; 34.95,23.23 34.52,22.79 32.93,22.79 32.53,22.4 32.53,21.99 D35.2 ; 34.95,23.23 v1(34.95,24.99) ; 31.27,21.31 D35.2 ; D35.2 31.85,21.89 ; D35.2 32.43,21.31 ; v1(87.29,41.81) 87.17,41.69 81.81,41.69 U34.47 ; 50.01,39.08 v1(50.01,38.42) ; 53.81,43.27 53.81,44.54 ; 53.81,43.27 54.26,43.27 ; 53.81,43.27 53.37,43.27 ; 53.81,43.27 53.81,42.1 ; C174.N 98.16,22.49 ; C174.N 97.38,23.27 ; C174.N 97.38,21.71 ; J69.3 67.59,11.8 ; J69.3 69.05,10.35 ; J69.3 66.14,10.35 ; J69.3 67.59,8.9 ; U13.11 52.99,43.27 ; U13.11 52.1,43.27 ; U13.11 52.55,42.1 ; J76.5 7.5,37.38 ; J76.5 8.48,36.4 ; J76.5 7.5,35.42 ; U14.16 108.85,61.69 ; 108.85,61.69 107.35,61.69 U14.19 ; 108.85,61.69 109.85,61.69 ; 106.85,68.88 106.55,68.88 ; 109.85,61.69 U14.14 ; U45.3 141.03,22.78 ; U45.3 141.71,24.66 ; U45.3 142.39,22.78 ; 106.55,68.88 104.6,68.88 ; 87.86,66.11 v1(90.41,66.11) ; D110.2 41.33,21.31 ; D110.2 41.91,21.89 ; D110.2 42.48,21.31 ; 127.01,47.25 127.01,47.75 ; 127.01,47.25 126.38,47.25 ; 127.01,47.25 127.64,47.25 ; 93.26,60.6 C67.2 ; C67.2 93.84,61.18
  BOTTOM w0.305: C141.N 117.66,47.96 ; C141.N 116.93,48.69 ; C141.N 116.2,47.96 ; 56.14,10.35 J69.1 ; J69.1 57.59,8.9 ; J69.1 51.68,16.26 51.68,17.61 ; J69.1 59.05,10.35 ; J69.1 57.59,11.8 ; J22.3 98.64,34.47 ; J22.3 97.6,35.41 ; J22.3 96.66,34.47 ; J22.3 97.6,33.53 ; 98.64,34.47 98.64,37.66 98.25,38.05 96.1,38.05 92.92,34.88 92.92,31.62 92.35,31.05 88.45,31.05 86.86,32.63 86.86,34.77 ; 98.64,34.47 98.64,23.75 C174.N ; J71.02 144.8,53.38 ; J71.02 144.8,44.52 ; J71.02 145.66,52.52 ; J71.02 143.94,52.52 ; 143.94,71.52 J77.4 ; J77.4 144.88,72.45 ; J77.4 145.81,71.52 ; J77.4 144.88,70.59 ; R53.2 32.8,21.38 ; R53.2 32.3,20.75 ; R53.2 32.8,20.12 ; R53.2 33.5,20.75 33.5,23.31 ; 144.8,44.52 138.47,44.52 C24.N ; 144.8,44.52 C175.N ; C31.1 113.35,29.18 ; C31.1 112.77,28.65 ; C31.1 112.19,29.18 ; C31.1 112.77,30.65 ; J72.2 7.5,45.56 9.6,43.46 9.6,36.4 ; J72.2 6.52,60.16 ; J72.2 7.5,61.14 ; J72.2 8.48,60.16 ; 34.95,30.49 34.63,30.8 33.34,30.8 ; 34.95,30.49 34.95,27.96 35.07,27.84 35.07,27.12 34.95,27 v1(34.95,24.99) 34.95,24.1 34.16,23.31 33.5,23.31 ; 34.95,30.49 39.38,30.49 ; 105.77,10.35 J27.1 ; J27.1 107.22,11.8 ; J27.1 108.67,10.35 ; J27.1 107.22,8.9 ; 112.77,30.65 112.72,30.6 110.78,30.6 ; 112.77,30.65 113.65,30.65 C154.1 ; v1(32.01,31.46) 32.66,30.8 33.34,30.8 ; C23.1 105.76,26.69 106.39,26.69 ; C23.1 106.34,27.32 ; C23.1 105.18,27.32 ; C23.1 105.76,27.85 ; 127.14,85.17 J66.04 ; J66.04 127.14,86.95 ; J66.04 128.03,86.06 ; J66.04 126.25,86.06 ; R52.2 32.9,23.94 ; R52.2 32.39,23.31 ; R52.2 33.5,23.31 ; R52.2 32.9,22.68 ; 113.12,31.33 C154.1 ; C154.1 114.18,31.33 ; 3.98,36.4 J76.6 ; J76.6 4.96,35.42 ; J76.6 4.96,37.38 ; J76.6 5.94,36.4 ; C24.N 139.11,44.43 ; C24.N 138.38,45.16 ; C24.N 135.07,44.43 ; C24.N 138.38,43.7 ; 143.94,66.52 J77.2 ; J77.2 144.88,65.59 ; J77.2 145.81,66.52 ; J77.2 144.88,67.45 ; 110.78,30.6 110.78,33.04 107.53,33.04 107.53,31.37 ; 110.78,30.6 110.54,30.36 C30.1 ; 51.68,17.61 52.33,18.26 R247.2 51.68,20.75 51.68,23.31 ; 51.68,17.61 46.01,17.61 45.22,18.4 45.22,20.75 R242.2 ; 88.38,79.85 v1(88.38,80.68) ; 88.38,79.85 88.54,79.69 D119.A ; 88.38,79.85 D118.A ; 107.53,31.37 C153.1 ; 107.53,31.37 107.53,29.57 ; C175.N 146.65,44.52 ; C175.N 145.92,43.79 ; C175.N 145.92,45.25 ; v1(40.23,23.31) 40.89,23.31 42.34,24.77 v1(45.22,24.77) 45.22,23.31 R241.2 ; v1(40.23,23.31) R57.2 ; v1(40.23,23.31) 40.23,20.75 R58.2 ; 7.5,35.42 J76.5 ; J76.5 7.5,37.38 ; J76.5 6.52,36.4 ; J76.5 9.6,36.4 ; v1(104.07,52.02) 104.07,60.42 v1(101.23,63.26) ; D119.A 92.1,81.07 ; D119.A 92.1,78.31 ; 143.94,69.02 J77.3 ; J77.3 144.88,69.95 ; J77.3 145.81,69.02 ; J77.3 144.88,68.09 ; C60.1 39.38,32.12 ; C60.1 38.8,31.54 ; C60.1 39.96,31.54 ; C60.1 39.38,30.49 ; C30.1 111.12,28.98 ; C30.1 110.54,28.45 ; 33.34,30.8 33.34,31.29 C59.1 ; D118.A 83.81,81.23 ; D118.A 82.43,79.85 ; D118.A 83.81,78.47 ; 112.41,59.32 112.41,56.24 113.2,55.45 v1(115.19,55.45) ; 112.41,59.32 113.06,59.98 119.24,59.98 119.64,60.37 119.64,65.04 v1(119.55,65.14) 111.94,65.14 v1(108.2,68.88) ; 112.41,59.32 v1(109.19,59.32) ; 58.09,58.81 C62.1 ; C62.1 57.99,59.49 55.55,59.49 ; C62.1 58.67,59.39 ; 88.06,88.06 J28.2 ; J28.2 88.06,90.96 ; J28.2 86.61,89.51 ; J28.2 89.52,89.51 ; v1(14.78,31.46) 11.19,31.46 9.6,33.05 9.6,36.4 ; D6.2 135.07,36.11 ; D6.2 140.38,35.37 ; D6.2 140.38,36.85 ; D6.2 141.02,36.11 ; 135.07,36.11 v1(135.07,34.62) ; 135.07,36.11 135.07,44.43 ; v1(82.25,34.19) 82.83,34.77 86.86,34.77 ; J69.3 69.05,10.35 ; J69.3 67.59,8.9 ; J69.3 66.14,10.35 ; J69.3 67.59,11.8 ; 48.91,31.55 C168.1 ; C168.1 50.07,31.55 ; C168.1 49.49,30.49 ; C168.1 49.49,32.13 ; 144.88,63.09 J77.1 ; J77.1 143.94,64.02 ; J77.1 144.88,64.95 ; J77.1 145.81,64.02 ; C174.N 98.16,22.49 ; C174.N 97.38,21.71 ; C174.N 97.38,23.27 ; C174.N 96.6,22.49 ; C63.1 52.03,59.49 55.55,59.49 ; C63.1 51.35,58.23 ; C63.1 50.53,57.99 49.54,57.99 47.96,56.4 47.96,51.08 48.75,50.28 v1(51.27,50.28) 52.95,48.61 76.07,48.61 v1(76.81,47.86) ; C63.1 51.35,59.39 ; C63.1 51.93,58.81 ; C63.1 50.77,58.81 ; 55.55,59.49 v1(55.55,67.03) ; 45.82,20.12 R242.2 ; R242.2 45.82,21.38 ; v1(64.96,38.5) 64.81,38.35 50.07,38.35 v1(50.01,38.42) 44.78,38.42 43.04,36.68 43.04,30.49 ; C153.1 108.69,31.37 ; C153.1 108.16,30.79 ; C153.1 108.16,31.95 ; 135.07,44.43 134.67,44.83 v1(132.59,44.83) ; R58.2 39.31,20.12 ; R58.2 39.31,21.38 ; 106.39,26.69 107.53,27.83 107.53,29.57 ; 106.39,26.69 v1(106.39,17.93) ; R57.2 39.36,23.94 ; R57.2 39.36,22.68 ; C59.1 34.17,31.54 ; C59.1 33.01,31.54 ; C59.1 33.59,32.12 ; C59.1 33.59,30.96 ; 43.04,30.49 v1(40.23,30.49) 39.38,30.49 ; 43.04,30.49 44.15,30.49 ; C25.1 108.38,29.57 107.53,29.57 ; C25.1 107.8,28.94 ; C25.1 108.38,28.41 ; R246.2 52.28,23.94 ; R246.2 52.28,22.68 ; R246.2 51.68,23.31 ; v1(87.29,49.45) v1(87.29,41.81) 87.29,35.2 86.86,34.77 ; v1(90.41,69.22) v1(90.41,66.11) ; v1(51.68,24.67) 51.68,23.31 ; v1(132.75,71.43) v1(128.18,71.43) ; C165.1 44.15,31.97 ; C165.1 44.73,31.39 ; C165.1 44.15,30.49 ; C165.1 43.57,31.39 ; v1(97.5,59.48) v1(93.61,59.48) ; 44.15,30.49 49.49,30.49 ; v1(71.02,52.12) v1(71.02,55.63) ; v1(105.85,59.32) v1(105.85,52.88) ; 49.49,30.49 v1(49.49,29.18)
VIN: length 93.2
  TOP w1: L2.1 103.01,32.07 v2(100.93,30) 100.93,27.89 100.54,27.49 C174.P ; U45.1 v2(145.11,18.78)
  BOTTOM w1: 104.2,28.35 104.2,6.35 105.89,4.66 130.99,4.66 v2(145.11,18.78) ; 104.2,28.35 104.87,29.02 C23.2 ; 104.2,28.35 102.58,28.35 v2(100.93,30)
1Y: length 35.2
  TOP w0.305: v1(74.54,66.09) 83.15,66.09 83.15,67.15 83.55,67.55 84.67,67.55 85.07,67.95 85.07,73.22 84.67,73.61 82.3,73.61 81.2,72.52 R257.2 ; U39.11 v1(74.54,70.84) 73.58,71.81 73.58,72.98 73.18,73.38 U39.2
  BOTTOM w0.305: v1(74.54,66.09) v1(74.54,70.84)
2A: length 9.1
  TOP w0.305: U39.8 74.16,67.03 72.57,68.62 72.57,71.71 72.18,72.11 U39.3
3Y: length 4.2
  TOP w0.305: R259.2 69.37,68.38 69.45,68.3 U39.6
4A: length 16.7
  TOP w0.305: 81.94,68.3 81.94,66.82 R258.1 ; 81.94,68.3 U39.9 ; 81.94,68.3 84.24,68.3 84.63,68.7 84.63,73.03 83.41,73.03
5Y: length 22.2
  TOP w0.305: U40.4 80.4,69.22 80.14,69.48 R256.2 76.98,69.48 76.89,69.57 U39.10 73.8,69.57 73.01,70.36 73.01,72.3 72.61,72.69 69.41,72.69 69.02,73.09 69.02,76.52 69.41,76.92 D115.C
6A: length 14.4
  TOP w0.305: 74.63,76.75 74.63,73.38 ; 74.63,76.75 C172.1 ; 74.63,76.75 74.46,76.92 D115.A ; 74.63,73.38 74.63,71.71 74.85,71.5 76.74,71.5 77.91,70.33 79.41,70.33 R256.1 ; 74.63,73.38 U39.13
6Y: length 10.3
  TOP w0.305: 83.41,70.5 82.18,70.5 82.18,71.77 ; 82.18,71.77 U40.2 ; 82.18,71.77 77.93,71.77 77.58,72.11 U39.12
30: length 16
  TOP w0.305: C81.1 99.64,61.81 96.84,61.81 ; 96.84,61.81 Y6.1 97.77,58.36 97.77,58.82 U14.30 ; 96.84,61.81 96.69,61.96 95.81,61.96 R82.2
31: length 18.9
  TOP w0.305: U14.31 98.42,58.32 98.2,58.1 98.2,57.58 98.01,57.39 ; 98.01,57.39 98.01,53.73 C82.1 ; 98.01,57.39 95.81,57.39 ; R82.1 95.81,57.39 ; 95.81,57.39 94.54,57.39 Y6.3
A: length 31.2
  TOP w0.305: R262.1 v1(90.2,70.86) 89.54,70.86 89.54,70.5 88.31,70.5 ; F4.1 81.52,79.74 81.83,79.44 v1(81.83,79.08) 83.05,77.86 86.74,77.86 87.53,78.65 87.53,79.73
  BOTTOM w0.305: D118.C 81.06,79.85 v1(81.83,79.08) 81.83,78.09 82.23,77.69 88.61,77.69 90.2,76.11 v1(90.2,70.86)
ACTLED: length 6.3
  TOP w0.305: R71.2 98.05,60.32 U14.27
ADC1_IN4: length 70.9
  TOP w0.305: U34.20 69.84,48.45 68.37,49.92 68.37,50.75 66.78,52.34 63.18,52.34 61.5,54.02 61.5,58.26 58.42,61.34 52.85,61.34 51.36,62.83 51.36,74.05 43.91,81.5 36.52,81.5 J24.5
ADC1_IN10: length 58.8
  TOP w0.305: U34.8 v1(78.81,50.49)
  BOTTOM w0.305: v1(78.81,50.49) 77.57,51.74 77.57,70.39 61.56,86.4 51.62,86.4 J24.1
ADC1_IN11: length 63.2
  TOP w0.305: v1(78.47,53.59) 78.31,53.43 U34.9 ; v1(78.22,57.85) 77.73,58.35 74.17,58.35 73.38,59.14 v1(73.38,60.95) ; v1(70.87,66.03) 55.54,66.03 54.75,66.83 54.75,78.27 J24.2
  BOTTOM w0.305: v1(70.87,66.03) 70.87,63.46 v1(73.38,60.95) ; v1(78.22,57.85) 78.47,57.61 v1(78.47,53.59)
ADC1_IN12: length 65.6
  TOP w0.305: J24.3 52.22,75.8 52.22,67.1 53.8,65.51 60.92,65.51 62.59,63.84 62.59,57.35 62.63,57.31 62.63,55.71 64.1,54.24 77.02,54.24 77.81,53.45 U34.10
